# Allegro board meta_carrier_lay_rev1.brd (continued)
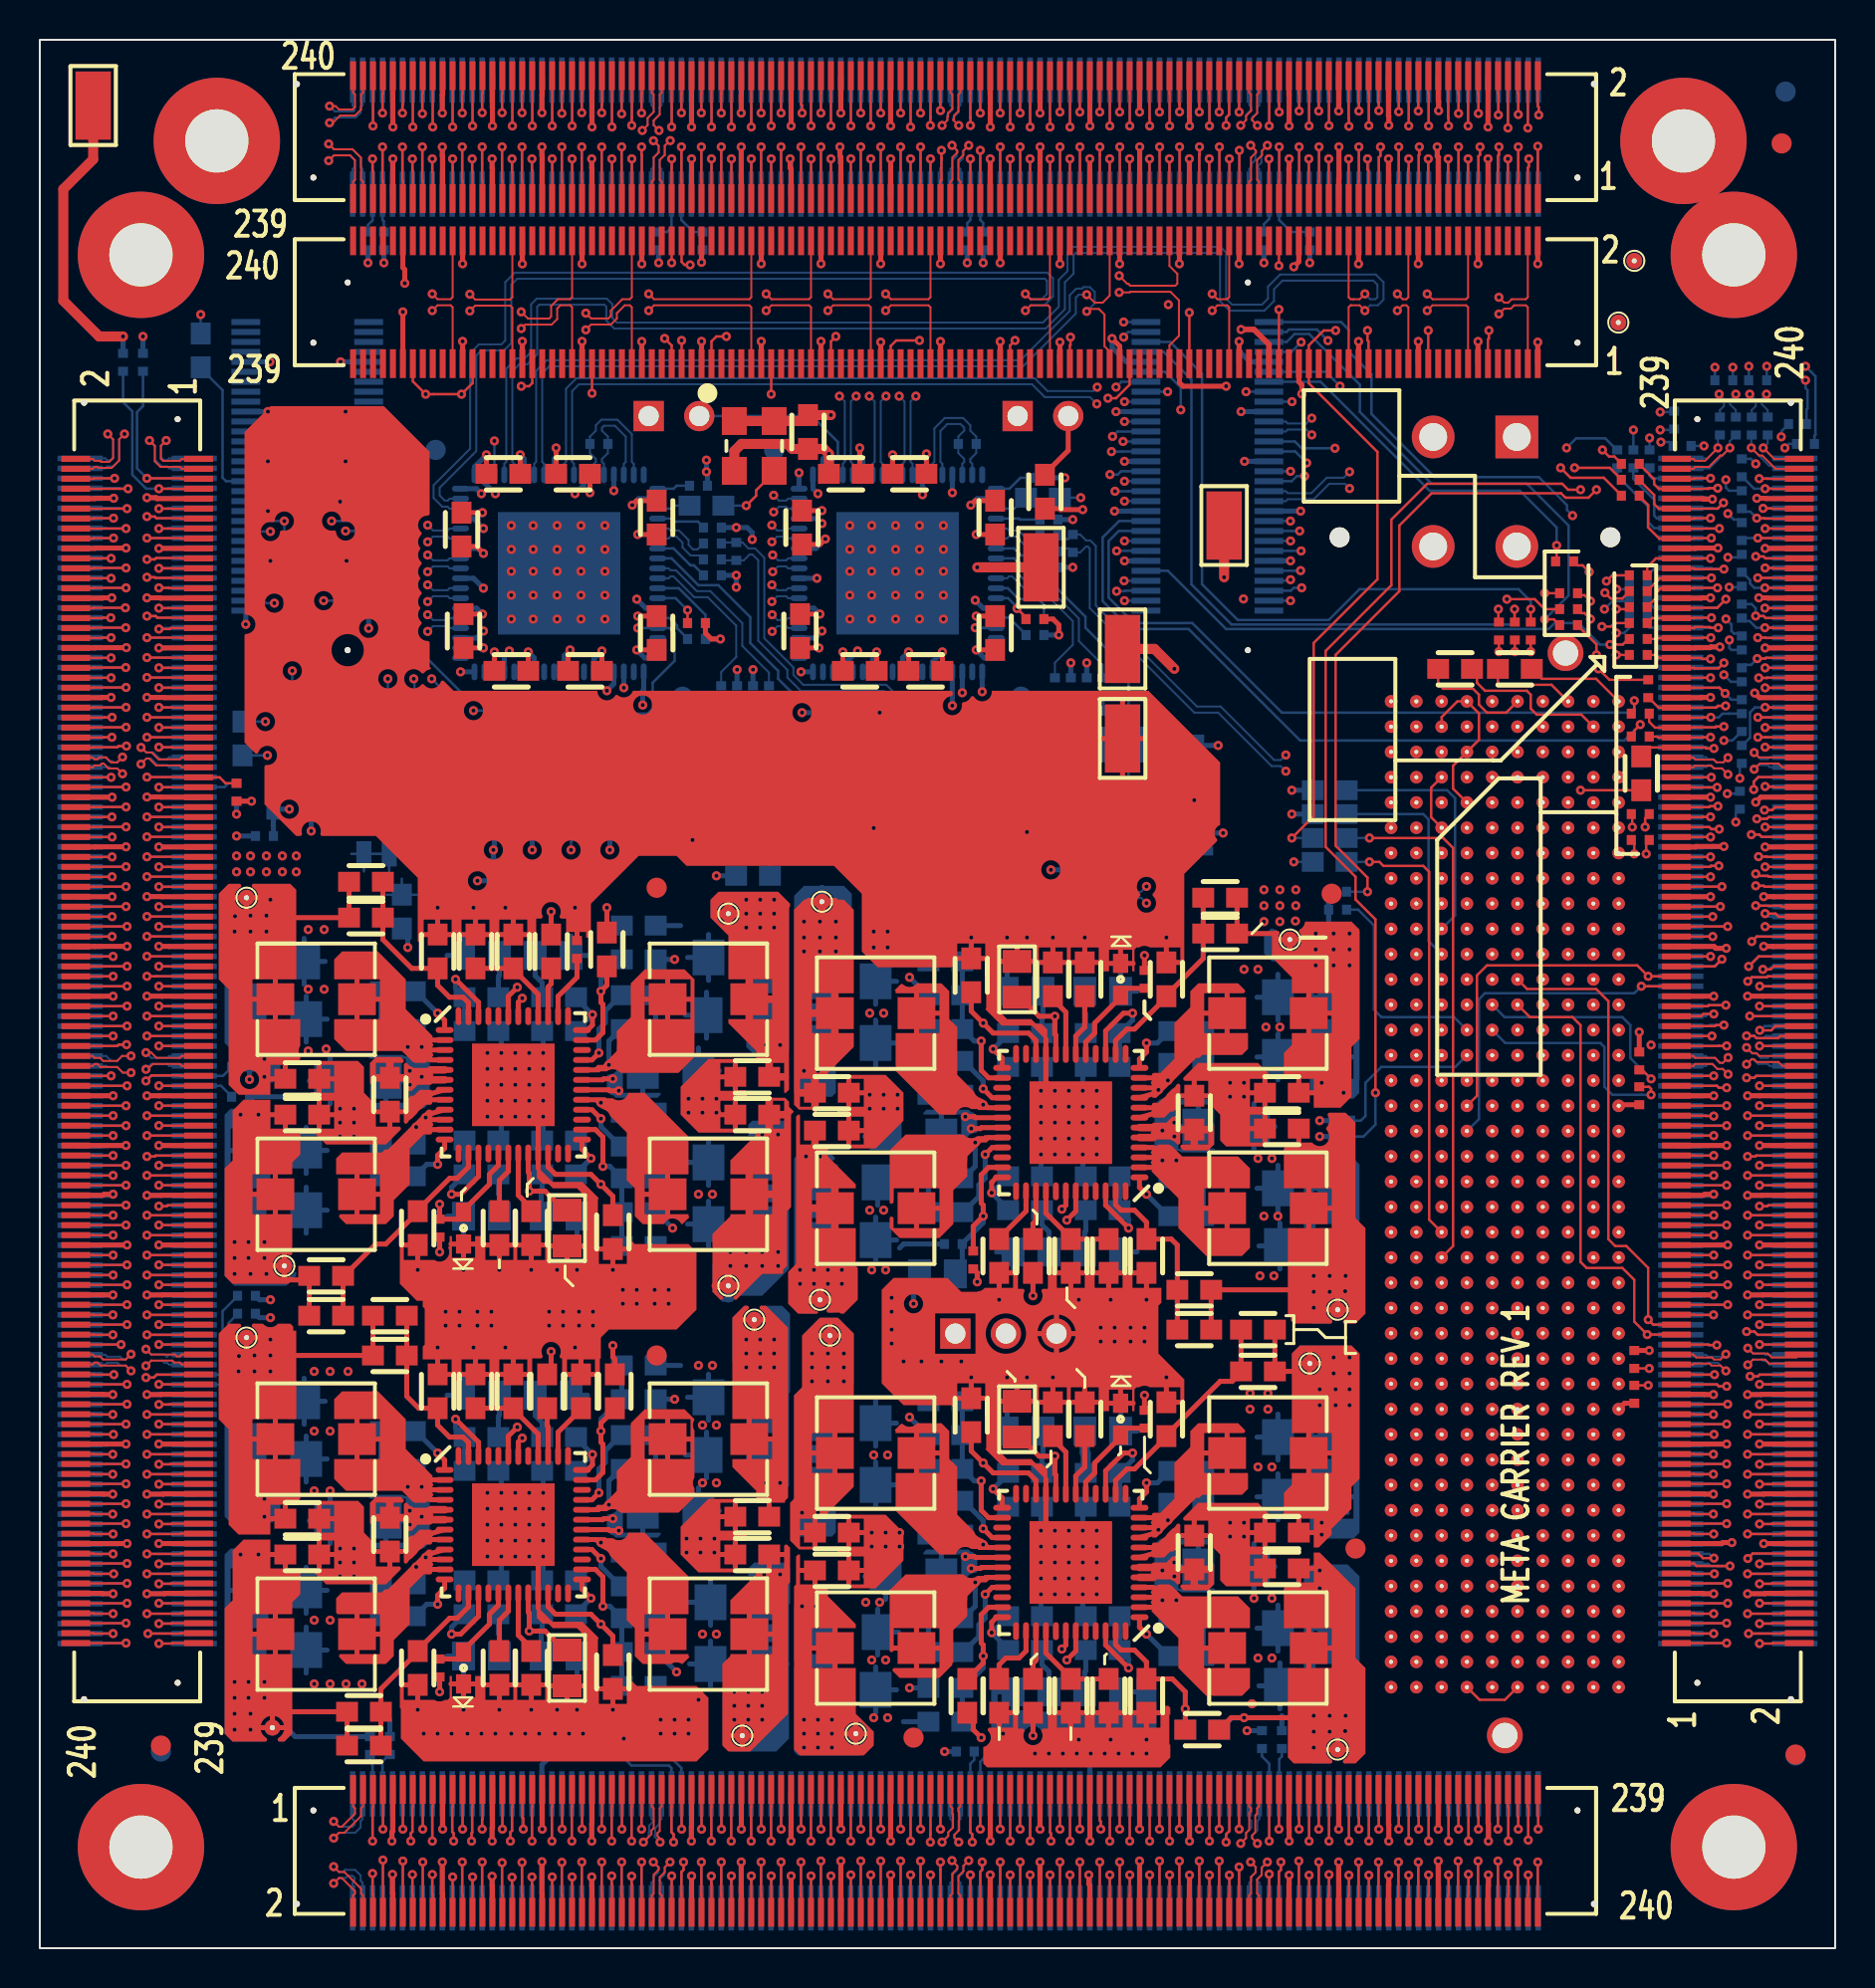
[diagram p0: board, top side]
## Copper pours and planes (outline as drawn; the poured copper is in the pictures) (continued)
(no net) on TOP: 35.98,45.08 34.58,46.48 34.58,50.88 33.68,51.78 33.68,52.68 34.08,53.08 37.08,53.08 37.68,52.48 37.68,43.18 37.38,42.88 36.08,42.88 35.98,42.98
(no net) on TOP: 39.58,39.78 40.98,38.38 40.98,34.28 41.08,34.18 41.08,32.58 40.38,31.88 38.08,31.88 37.58,32.38 37.58,33.98 37.98,34.38 37.98,41.78 38.18,41.98 39.48,41.98 39.58,41.88
(no net) on TOP: 20.78,20.28 19.58,20.28 17.18,17.88 15.18,17.88 14.88,17.58 14.88,14.78 15.38,14.28 17.38,14.28 17.78,14.68 17.78,15.48 18.58,16.28 18.58,18.08 19.28,18.78 20.78,18.78
(no net) on TOP: 47.48,42.68 47.28,42.68 46.08,43.88 46.08,46.28 45.68,46.68 45.68,48.08 45.28,48.48 43.28,48.48 42.93,48.13 42.98,48.08 42.98,44.08 45.18,41.88 48.38,41.88 48.38,42.48 47.68,42.48
(no net) on TOP: 65.88,45.28 66.28,45.68 66.28,51.18 65.88,51.58 62.48,51.58 61.88,50.98 61.88,49.78 62.88,48.78 62.88,45.38 62.48,44.98 62.48,42.28 62.58,42.18 65.28,42.18 65.88,42.78
(no net) on TOP: 28.08,20.08 28.28,20.08 29.48,18.88 29.48,16.48 29.88,16.08 29.88,14.68 30.28,14.28 32.28,14.28 32.63,14.63 32.58,14.68 32.58,18.68 30.38,20.88 27.18,20.88 27.18,20.28 27.88,20.28
(no net) on TOP: 54.88,40.38 56.78,40.38 57.38,39.78 60.18,39.78 60.78,39.18 60.78,35.18 60.38,34.78 58.58,34.78 57.18,36.18 57.18,37.68 55.78,39.08 54.88,39.08
(no net) on TOP: 54.78,42.48 56.18,42.48 58.18,44.48 61.18,44.48 61.98,43.68 61.98,40.48 61.78,40.28 59.58,40.28 59.28,40.58 59.28,41.88 58.88,42.28 57.18,42.28 56.48,41.58 54.88,41.58 54.78,41.68
(no net) on TOP: 54.78,20.38 56.18,20.38 58.18,22.38 61.18,22.38 61.98,21.58 61.98,18.38 61.78,18.18 59.58,18.18 59.28,18.48 59.28,19.78 58.88,20.18 57.18,20.18 56.48,19.48 54.88,19.48 54.78,19.58
(no net) on TOP: 19.08,28.48 19.08,30.08 19.33,30.33 19.33,32.13 18.08,33.38 18.08,35.58 18.18,35.68 19.78,35.68 19.78,35.38 20.58,35.38 20.58,35.78 27.28,35.78 27.48,35.98 27.48,37.68 26.98,38.18 25.48,38.18 24.78,38.88 24.78,40.48 25.28,40.48 25.28,39.08 25.78,38.58 27.18,38.58 28.08,37.68 28.08,35.68 28.18,35.58 29.68,35.58 29.88,35.38 32.58,35.38 32.98,34.98 32.98,32.08 31.98,31.08 28.58,31.08 28.18,30.68 28.18,28.88 27.98,28.68 24.88,28.68 24.68,28.48
(no net) on TOP: 24.78,18.38 24.78,16.78 25.48,16.08 26.98,16.08 27.48,15.58 27.48,13.88 27.28,13.68 20.58,13.68 20.58,12.58 20.48,12.48 19.98,12.48 19.78,12.68 19.78,13.58 18.18,13.58 18.08,13.48 18.08,12.08 18.13,12.03 18.13,10.53 19.28,9.38 32.98,9.38 33.58,9.98 33.58,12.58 32.98,13.18 29.98,13.18 29.68,13.48 28.18,13.48 28.08,13.58 28.08,15.58 27.18,16.48 25.78,16.48 25.28,16.98 25.28,18.38
(no net) on TOP: 40.08,40.18 41.98,40.18 43.38,41.58 43.38,42.98 42.48,43.88 40.28,43.88 40.08,43.68
(no net) on TOP: 54.78,42.48 55.98,42.48 58.38,44.88 60.38,44.88 60.68,45.18 60.68,47.98 60.18,48.48 58.18,48.48 57.78,48.08 57.78,47.28 56.98,46.48 56.98,44.68 56.28,43.98 54.78,43.98
(no net) on TOP: 8.98,26.58 8.98,30.88 9.48,31.38 12.58,31.38 12.88,31.08 12.88,25.08 13.08,24.88 13.08,22.58 13.03,22.53 13.03,20.93 12.88,20.78 9.98,20.78 9.48,21.28 9.48,26.08
(no net) on TOP: 35.48,22.58 33.58,22.58 32.18,21.18 32.18,19.78 33.08,18.88 35.28,18.88 35.48,19.08
(no net) on TOP: 20.68,22.38 18.78,22.38 18.18,22.98 15.38,22.98 14.78,23.58 14.78,27.58 15.18,27.98 16.98,27.98 18.38,26.58 18.38,25.08 19.78,23.68 20.68,23.68
(no net) on TOP: 40.08,18.08 41.98,18.08 43.38,19.48 43.38,20.88 42.48,21.78 40.28,21.78 40.08,21.58
(no net) on TOP: 50.28,22.28 50.28,23.68 49.78,24.18 48.38,24.18 47.48,25.08 47.48,27.08 47.38,27.18 45.88,27.18 45.78,27.28 43.38,27.28 42.28,28.38 42.28,33.08 42.88,33.68 45.58,33.68 46.28,32.98 47.08,32.98 47.38,33.28 47.38,34.08 47.58,34.28 56.38,34.28 56.48,34.18 56.48,32.58 56.18,32.28 56.18,29.88 57.48,28.58 57.48,27.18 57.38,27.08 55.78,27.08 55.78,27.98 55.58,28.18 55.08,28.18 54.98,28.08 54.98,26.98 48.28,26.98 48.08,26.78 48.08,25.08 48.58,24.58 50.08,24.58 50.78,23.88 50.78,22.28
(no net) on TOP: 20.88,44.38 18.58,44.38 18.18,44.78 16.88,44.78 16.58,44.48 16.58,43.48 16.98,43.08 18.68,43.08 18.98,43.38 20.88,43.38
(no net) on BOTTOM: 44.58,39.48 46.48,39.48 46.58,39.58 46.58,40.48 47.08,40.98 47.08,41.78 46.63,42.23 44.63,42.23 44.38,41.98 44.38,39.68
(no net) on BOTTOM: 58.98,20.58 59.18,20.38 59.18,18.08 58.98,17.88 56.28,17.88 55.98,18.18 55.98,20.28 56.28,20.58
(no net) on BOTTOM: 30.98,45.38 29.08,45.38 28.98,45.28 28.98,44.38 28.48,43.88 28.48,43.08 28.93,42.63 30.93,42.63 31.18,42.88 31.18,45.18
(no net) on BOTTOM: 37.68,32.58 37.68,33.78 37.88,33.98 37.88,39.68 38.38,40.18 39.48,40.18 40.08,39.58 40.08,33.98 40.58,33.48 40.58,32.68 39.78,31.88 38.38,31.88
(no net) on BOTTOM: 58.98,42.68 59.18,42.48 59.18,40.18 58.98,39.98 56.28,39.98 55.98,40.28 55.98,42.38 56.28,42.68
(no net) on BOTTOM: 63.73,49.33 63.73,43.73 63.78,43.68 63.78,43.08 64.18,42.68 65.98,42.68 66.28,42.98 66.28,51.08 65.88,51.48 63.98,51.48 63.73,51.23 61.83,51.23 61.48,50.88 61.48,49.98 61.88,49.58 63.48,49.58
(no net) on BOTTOM: 63.48,31.78 63.48,40.18 63.68,40.38 64.48,40.38 64.98,39.88 65.78,39.88 66.28,39.38 66.28,32.08 65.58,31.38 63.88,31.38
(no net) on BOTTOM: 63.48,9.68 63.48,18.88 63.88,19.28 65.68,19.28 66.28,18.68 66.28,9.98 65.58,9.28 63.88,9.28
(no net) on BOTTOM: 37.68,45.18 37.48,44.98 35.78,44.98 35.48,45.28 35.48,50.88 35.18,51.18 34.38,51.18 33.68,51.88 33.68,52.58 34.08,52.98 37.18,52.98 37.68,52.48
(no net) on BOTTOM: 12.08,53.08 12.08,51.38 11.38,50.68 11.38,45.58 12.08,44.88 12.08,43.88 11.68,43.48 11.18,43.48 10.88,43.78 10.88,44.68 10.58,44.98 9.78,44.98 9.28,45.48 9.28,52.78 9.98,53.48 11.68,53.48
(no net) on BOTTOM: 37.88,17.18 38.18,17.48 39.58,17.48 40.08,16.98 40.08,11.88 40.38,11.58 41.18,11.58 41.88,10.88 41.88,10.38 41.18,9.68 38.08,9.68 37.88,9.88
(no net) on BOTTOM: 62.88,28.88 63.73,28.03 63.73,21.63 63.78,21.58 63.78,20.98 64.18,20.58 65.98,20.58 66.28,20.88 66.28,29.88 65.88,30.28 63.28,30.28 62.88,29.88
(no net) on BOTTOM: 12.68,11.78 11.48,12.98 11.48,19.78 11.18,20.08 9.58,20.08 9.28,19.78 9.28,10.78 9.68,10.38 12.28,10.38 12.68,10.78
(no net) on BOTTOM: 12.88,34.58 11.58,35.88 11.58,41.78 11.18,42.18 9.58,42.18 9.28,41.88 9.28,33.78 9.78,33.28 12.38,33.28 12.88,33.78
(no net) on BOTTOM: 30.98,23.28 29.08,23.28 28.98,23.18 28.98,22.28 28.48,21.78 28.48,20.98 28.93,20.53 30.93,20.53 31.18,20.78 31.18,23.08
(no net) on BOTTOM: 44.58,17.38 46.48,17.38 46.58,17.48 46.58,18.38 47.08,18.88 47.08,19.68 46.63,20.13 44.63,20.13 44.38,19.88 44.38,17.58
(no net) on BOTTOM: 37.88,42.98 38.08,42.78 39.78,42.78 39.98,42.98 39.98,48.78 40.08,48.88 40.48,48.88 40.78,49.18 40.78,52.98 40.38,53.38 38.38,53.38 37.88,52.88
(no net) on BOTTOM: 37.68,41.28 37.38,41.58 35.78,41.58 35.58,41.38 35.58,35.38 35.48,35.28 34.68,35.28 33.78,34.38 33.78,32.98 34.28,32.48 34.78,32.48 35.08,32.78 36.28,32.78 37.68,34.18
(no net) on BOTTOM: 12.08,30.98 12.08,29.18 11.38,28.48 11.38,23.68 12.08,22.98 12.08,21.78 11.68,21.38 9.58,21.38 9.28,21.68 9.28,28.58 9.53,28.83 9.53,30.93 9.98,31.38 11.68,31.38
(no net) on BOTTOM: 37.68,19.08 37.38,19.38 35.88,19.38 35.58,19.08 35.58,13.28 35.48,13.18 34.78,13.18 34.28,12.68 34.28,10.28 34.68,9.88 36.98,9.88 37.68,10.58
(no net) on BOTTOM: 38.08,20.68 39.78,20.68 39.98,20.88 39.98,27.48 40.88,28.38 40.88,30.88 40.08,31.68 39.18,31.68 38.38,30.88 38.38,28.28 37.88,27.78 37.88,20.88
(no net) on BOTTOM: 16.58,42.18 16.38,42.38 16.38,44.68 16.58,44.88 19.28,44.88 19.58,44.58 19.58,42.48 19.28,42.18
(no net) on BOTTOM: 47.78,13.38 47.98,13.58 48.88,13.58 49.38,13.08 49.38,12.08 49.58,11.88 53.58,11.88 53.68,11.98 53.68,12.98 54.28,13.58 55.58,13.58 56.08,13.08 56.08,9.58 55.58,9.08 49.68,9.08 49.38,9.38 49.38,10.08 49.08,10.38 48.08,10.38 47.78,10.68
(no net) on BOTTOM: 37.68,23.28 37.38,22.98 36.18,22.98 35.48,23.68 35.48,28.78 34.78,29.48 34.78,31.68 35.38,32.28 37.28,32.28 37.68,31.88
(no net) on BOTTOM: 16.58,20.08 16.38,20.28 16.38,22.58 16.58,22.78 19.28,22.78 19.58,22.48 19.58,20.38 19.28,20.08
1P8V on TOP (solid shape): 37.63,42.53 37.63,42.28 37.88,42.03 37.73,41.88 37.73,37.23 37.53,37.03 37.53,34.28 37.33,34.08 37.33,33.93 37.28,33.88 36.28,33.88 34.98,32.58 34.95,32.58 34.85,32.65 34.9,32.77 34.58,33.88 34.27,32.77 34.31,32.65 34.21,32.58 34.18,32.58 33.78,32.98 33.78,35.88 34.68,36.78 34.68,36.88 36.78,36.88 36.78,38.88 34.68,38.88 34.68,39.58 35.98,40.88 35.98,41.18 37.38,41.18 37.38,42.58 35.98,42.58 35.98,42.68 36.03,42.73 37.43,42.73
1P8V on BOTTOM (solid shape): 37.68,41.28 37.68,39.83 37.63,39.78 37.63,34.13 36.28,32.78 35.08,32.78 34.78,32.48 34.28,32.48 33.78,32.98 33.78,33.31 33.98,33.31 33.98,33.25 33.99,33.18 34,33.11 34.03,33.04 34.06,32.98 34.1,32.92 34.14,32.87 34.19,32.82 34.25,32.78 34.31,32.74 34.37,32.72 34.44,32.7 34.51,32.68 34.58,32.68 34.65,32.68 34.72,32.7 34.79,32.72 34.85,32.74 34.91,32.78 34.97,32.82 35.02,32.87 35.06,32.92 35.1,32.98 35.13,33.04 35.16,33.11 35.17,33.18 35.18,33.25 35.18,33.31 35.17,33.38 35.16,33.45 35.13,33.52 35.1,33.58 35.06,33.64 35.02,33.69 34.97,33.74 34.91,33.78 34.85,33.82 34.79,33.84 34.72,33.86 34.65,33.88 34.58,33.88 34.51,33.88 34.44,33.86 34.37,33.84 34.31,33.82 34.25,33.78 34.19,33.74 34.14,33.69 34.1,33.64 34.06,33.58 34.03,33.52 34,33.45 33.99,33.38 33.98,33.31 33.78,33.31 33.78,34.38 34.63,35.23 34.63,35.23 34.68,35.28 35.38,35.28 35.38,35.28 37.38,35.28 37.38,37.48 35.58,37.48 35.58,38.38 37.38,38.38 37.38,40.58 35.58,40.58 35.58,41.38 35.78,41.58 37.38,41.58
1P8V on SIGNAL_L10: 20.28,76.18 20.28,63.78 48.38,63.78 48.38,76.18
1P8V on SIGNAL_L12: 29.83,76.83 21.83,76.83 19.83,74.83 19.83,57.33 16.38,53.88 16.38,36.78 20.28,32.88 36.18,32.88 39.33,36.03 39.33,48.33 27.68,59.98 27.68,64.13 30.83,67.28 30.83,75.83
2P5V on TOP (solid shape): 38.58,52.68 38.65,52.65 38.68,52.58 39.28,51.98 39.88,52.58 39.91,52.65 39.98,52.68 40.38,52.68 40.88,52.18 40.88,47.98 38.78,47.98 38.78,45.98 40.88,45.98 40.88,45.28 39.58,43.98 39.58,43.68 38.18,43.68 38.18,42.28 39.58,42.28 39.58,42.18 39.53,42.13 38.13,42.13 37.88,42.38 37.88,52.18 38.38,52.68
2P5V on BOTTOM (solid shape): 40.78,52.98 40.78,49.18 40.48,48.88 40.18,48.88 40.18,49.68 38.18,49.68 38.18,47.48 39.98,47.48 39.98,46.58 38.18,46.58 38.18,44.38 39.98,44.38 39.98,42.98 39.78,42.78 38.08,42.78 37.88,42.98 37.88,52.61 38.68,52.61 38.68,52.55 38.69,52.48 38.7,52.41 38.73,52.34 38.76,52.28 38.8,52.22 38.84,52.17 38.89,52.12 38.95,52.08 39.01,52.04 39.07,52.02 39.14,52 39.21,51.98 39.28,51.98 39.35,51.98 39.42,52 39.49,52.02 39.55,52.04 39.61,52.08 39.67,52.12 39.72,52.17 39.76,52.22 39.8,52.28 39.83,52.34 39.86,52.41 39.87,52.48 39.88,52.55 39.88,52.61 39.87,52.68 39.86,52.75 39.83,52.82 39.8,52.88 39.76,52.94 39.72,52.99 39.67,53.04 39.61,53.08 39.55,53.12 39.49,53.14 39.42,53.16 39.35,53.18 39.28,53.18 39.21,53.18 39.14,53.16 39.07,53.14 39.01,53.12 38.95,53.08 38.89,53.04 38.84,52.99 38.8,52.94 38.76,52.88 38.73,52.82 38.7,52.75 38.69,52.68 38.68,52.61 37.88,52.61 37.88,52.88 38.38,53.38 40.38,53.38
3P3V on TOP (solid shape): 37.68,52.48 37.68,52.33 37.63,52.28 37.63,43.13 37.48,42.98 37.38,42.98 37.38,44.48 35.98,44.48 35.98,45.08 34.58,46.48 34.58,46.68 36.78,46.68 36.78,48.68 34.58,48.68 34.58,50.88 33.68,51.78 33.68,52.01 33.98,52.01 33.98,51.95 33.99,51.88 34,51.81 34.03,51.74 34.06,51.68 34.1,51.62 34.14,51.57 34.19,51.52 34.25,51.48 34.31,51.44 34.37,51.42 34.44,51.4 34.51,51.38 34.58,51.38 34.65,51.38 34.72,51.4 34.79,51.42 34.85,51.44 34.91,51.48 34.97,51.52 35.02,51.57 35.06,51.62 35.1,51.68 35.13,51.74 35.16,51.81 35.17,51.88 35.18,51.95 35.18,52.01 35.17,52.08 35.16,52.15 35.13,52.22 35.1,52.28 35.06,52.34 35.02,52.39 34.97,52.44 34.91,52.48 34.85,52.52 34.79,52.54 34.72,52.56 34.65,52.58 34.58,52.58 34.51,52.58 34.44,52.56 34.37,52.54 34.31,52.52 34.25,52.48 34.19,52.44 34.14,52.39 34.1,52.34 34.06,52.28 34.03,52.22 34,52.15 33.99,52.08 33.98,52.01 33.68,52.01 33.68,52.68 34.08,53.08 37.08,53.08
3P3V on BOTTOM (solid shape): 37.63,52.53 37.63,45.13 37.48,44.98 35.78,44.98 35.48,45.28 35.48,45.78 37.28,45.78 37.28,47.98 35.48,47.98 35.48,48.68 37.38,48.68 37.38,50.88 35.48,50.88 35.18,51.18 34.38,51.18 33.68,51.88 33.68,52.01 33.98,52.01 33.98,51.95 33.99,51.88 34,51.81 34.03,51.74 34.06,51.68 34.1,51.62 34.14,51.57 34.19,51.52 34.25,51.48 34.31,51.44 34.37,51.42 34.44,51.4 34.51,51.38 34.58,51.38 34.65,51.38 34.72,51.4 34.79,51.42 34.85,51.44 34.91,51.48 34.97,51.52 35.02,51.57 35.06,51.62 35.1,51.68 35.13,51.74 35.16,51.81 35.17,51.88 35.18,51.95 35.18,52.01 35.17,52.08 35.16,52.15 35.13,52.22 35.1,52.28 35.06,52.34 35.02,52.39 34.97,52.44 34.91,52.48 34.85,52.52 34.79,52.54 34.72,52.56 34.65,52.58 34.58,52.58 34.51,52.58 34.44,52.56 34.37,52.54 34.31,52.52 34.25,52.48 34.19,52.44 34.14,52.39 34.1,52.34 34.06,52.28 34.03,52.22 34,52.15 33.99,52.08 33.98,52.01 33.68,52.01 33.68,52.58 34.08,52.98 37.18,52.98
3P3V on SIGNAL_L3: 31.48,78.08 29.08,78.08 27.88,76.88 24.78,76.88 20.33,72.43 20.33,61.08 18.58,59.33 10.33,59.33 8.83,57.83 8.83,47.58 10.58,45.83 55.13,45.83 59.91,50.6 59.91,62 56.83,65.08 53.08,65.08 50.08,68.08 50.08,77.18 49.28,77.98 38.88,77.98 37.33,76.43 37.33,65.83 36.83,65.33 33.83,65.33 32.83,66.33 32.83,75.58 32.08,76.33 32.08,77.48
5P0V on TOP (solid shape): 38.18,40.38 39.58,40.38 39.58,39.78 40.98,38.38 40.98,38.18 38.78,38.18 38.78,36.18 40.98,36.18 40.98,34.28 41.08,34.18 41.08,32.58 40.38,31.88 40.23,31.88 40.18,31.93 39.62,31.93 39.52,32 39.56,32.11 39.05,33.17 39.03,32 39.05,31.99 39.09,31.95 39.03,31.88 38.08,31.88 37.58,32.38 37.58,33.98 37.98,34.38 37.98,41.78 38.08,41.88 38.18,41.88
5P0V on BOTTOM (solid shape): 39.9,39.76 39.93,39.64 39.83,39.58 38.28,39.58 38.28,37.38 40.08,37.38 40.08,36.68 38.18,36.68 38.18,34.48 39.84,34.48 39.93,34.42 39.92,34.32 39.92,33.84 40.37,33.66 40.4,33.66 40.58,33.48 40.58,32.68 39.83,31.93 39.62,31.93 39.52,32 39.56,32.11 39.05,33.17 39.03,32 39.05,31.99 39.09,31.95 39.03,31.88 38.38,31.88 37.68,32.58 37.68,33.78 37.88,33.98 37.88,39.68 38.38,40.18 39.48,40.18
5P0V on SIGNAL_L5: 8.38,67.58 8.38,62.88 13.18,58.08 14.88,58.08 17.88,55.08 17.88,42.88 30.73,30.03 30.78,30.08 46.38,30.08 50.78,34.48 50.78,51.98 48.18,54.58 25.98,54.58 25.88,54.48 20.68,59.68 20.68,67.38 18.18,69.88 10.68,69.88
12P0V on TOP (solid shape): 18.25,44.65 18.27,44.54 18.18,44.48 16.88,44.48 16.88,43.43 16.82,43.33 16.71,43.35 16.58,43.48 16.58,44.48 16.88,44.78 18.13,44.78
12P0V on TOP (solid shape): 18.25,22.55 18.27,22.44 18.18,22.38 16.88,22.38 16.88,21.33 16.82,21.23 16.71,21.25 16.58,21.38 16.58,22.38 16.88,22.68 18.13,22.68
12P0V on TOP (solid shape): 58.68,41.43 58.74,41.53 58.85,41.51 58.98,41.38 58.98,40.38 58.68,40.08 57.43,40.08 57.31,40.21 57.29,40.32 57.38,40.38 58.68,40.38
12P0V on TOP (solid shape): 58.68,19.33 58.74,19.43 58.85,19.41 58.98,19.28 58.98,18.28 58.68,17.98 57.43,17.98 57.31,18.11 57.29,18.22 57.38,18.28 58.68,18.28
12P0V on BOTTOM (solid shape): 18.21,44.88 18.47,44.8 18.73,44.87 18.75,44.88 18.91,44.88 18.93,44.87 19.11,44.8 19.31,44.82 19.34,44.82 19.58,44.58 19.58,42.48 19.31,42.21 19.25,42.2 19.19,42.18 16.58,42.18 16.38,42.38 16.38,42.48 18.38,42.48 18.38,44.68 16.63,44.68 16.53,44.74 16.56,44.86 16.58,44.88
12P0V on BOTTOM (solid shape): 18.21,22.78 18.47,22.7 18.73,22.77 18.75,22.78 18.91,22.78 18.93,22.77 19.11,22.7 19.31,22.72 19.34,22.72 19.58,22.48 19.58,20.38 19.31,20.11 19.25,20.1 19.19,20.08 16.58,20.08 16.38,20.28 16.38,20.38 18.38,20.38 18.38,22.58 16.63,22.58 16.53,22.64 16.56,22.76 16.58,22.78
12P0V on BOTTOM (solid shape): 59.18,42.48 59.18,42.38 57.18,42.38 57.18,40.18 58.93,40.18 59.03,40.12 59,40 58.98,39.98 57.35,39.98 57.09,40.06 56.83,39.99 56.81,39.98 56.65,39.98 56.63,39.99 56.45,40.06 56.25,40.04 56.22,40.04 55.98,40.28 55.98,42.38 56.25,42.65 56.31,42.66 56.37,42.68 58.98,42.68
12P0V on BOTTOM (solid shape): 59.18,20.38 59.18,20.28 57.18,20.28 57.18,18.08 58.93,18.08 59.03,18.02 59,17.9 58.98,17.88 57.35,17.88 57.09,17.96 56.83,17.89 56.81,17.88 56.65,17.88 56.63,17.89 56.45,17.96 56.25,17.94 56.22,17.94 55.98,18.18 55.98,20.28 56.25,20.55 56.31,20.56 56.37,20.58 58.98,20.58
12P0V on BOTTOM (solid shape): 31,45.36 31.03,45.24 30.93,45.18 29.28,45.18 29.28,42.98 31.18,42.98 31.18,42.88 31.03,42.73 28.91,42.73 28.79,42.86 28.7,42.86 28.48,43.08 28.48,43.8 28.51,43.87 28.58,43.9 29,44.15 28.98,44.65 28.98,45.28 29.08,45.38 30.98,45.38
12P0V on BOTTOM (solid shape): 31,23.26 31.03,23.14 30.93,23.08 29.28,23.08 29.28,20.88 31.18,20.88 31.18,20.78 31.03,20.63 28.91,20.63 28.79,20.76 28.7,20.76 28.48,20.98 28.48,21.7 28.51,21.77 28.58,21.8 29,22.05 28.98,22.55 28.98,23.18 29.08,23.28 30.98,23.28
12P0V on BOTTOM (solid shape): 46.77,42 46.86,42 47.08,41.78 47.08,41.06 47.05,40.99 46.98,40.96 46.56,40.71 46.58,40.21 46.58,39.58 46.48,39.48 44.58,39.48 44.56,39.5 44.53,39.62 44.63,39.68 46.28,39.68 46.28,41.88 44.38,41.88 44.38,41.98 44.53,42.13 46.65,42.13
12P0V on BOTTOM (solid shape): 46.77,19.9 46.86,19.9 47.08,19.68 47.08,18.96 47.05,18.89 46.98,18.86 46.56,18.61 46.58,18.11 46.58,17.48 46.48,17.38 44.58,17.38 44.56,17.4 44.53,17.52 44.63,17.58 46.28,17.58 46.28,19.78 44.38,19.78 44.38,19.88 44.53,20.03 46.65,20.03
12P0V on SIGNAL_L10: 76.08,73.08 52.08,73.08 50.78,71.78 50.78,54.88 43.38,47.48 20.58,47.48 16.88,43.78 16.88,20.78 22.33,15.33 54.83,15.33 60.33,20.83 60.33,63.83 63.58,67.08 76.08,67.08 76.58,67.58 76.58,72.58
Q0_VDD on TOP (solid shape): 10.01,53.48 10.03,53.48 10.05,53.47 10.08,53.46 10.1,53.43 10.11,53.41 10.11,53.38 10.11,53.35 10.1,53.32 10.08,53.3 10.04,53.27 9.98,53.23 9.93,53.18 9.89,53.13 9.85,53.07 9.82,53.01 9.8,52.94 9.79,52.87 9.78,52.8 9.78,52.74 9.79,52.67 9.81,52.6 9.83,52.53 9.86,52.47 9.9,52.42 9.95,52.36 10,52.32 10.05,52.28 10.11,52.24 10.18,52.21 10.24,52.2 10.31,52.18 10.38,52.18 10.45,52.18 10.52,52.2 10.58,52.21 10.65,52.24 10.71,52.28 10.76,52.32 10.81,52.36 10.86,52.42 10.9,52.47 10.93,52.53 10.95,52.6 10.97,52.67 10.98,52.74 10.98,52.8 10.97,52.87 10.96,52.94 10.94,53.01 10.91,53.07 10.87,53.13 10.83,53.18 10.78,53.23 10.72,53.27 10.68,53.3 10.66,53.32 10.65,53.35 10.65,53.38 10.65,53.41 10.66,53.43 10.68,53.46 10.71,53.47 10.73,53.48 10.75,53.48 12.58,53.48 12.88,53.18 12.88,48.68 10.68,48.68 10.68,46.68 13.08,46.68 13.08,45.35 13.06,45.32 13.04,45.27 13.02,45.21 13,45.15 13,45.09 13,45.03 13.01,44.97 13.03,44.91 13.06,44.85 13.08,44.81 13.08,44.68 13.03,44.63 13.03,44.38 11.58,44.38 11.58,42.88 9.98,42.88 9.48,43.38 9.48,43.65 10.05,43.65 10.05,43.59 10.07,43.53 10.08,43.47 10.11,43.41 10.14,43.36 10.18,43.31 10.23,43.27 10.28,43.24 10.34,43.21 10.39,43.19 10.45,43.17 10.51,43.17 10.58,43.17 10.64,43.18 10.7,43.2 10.75,43.22 10.81,43.25 10.85,43.29 10.9,43.34 10.93,43.39 10.96,43.44 10.99,43.5 11,43.56 11.01,43.62 11.01,43.68 11,43.74 10.99,43.8 10.96,43.86 10.93,43.91 10.9,43.96 10.85,44 10.81,44.04 10.75,44.07 10.7,44.1 10.64,44.12 10.58,44.13 10.51,44.13 10.45,44.12 10.39,44.11 10.34,44.09 10.28,44.06 10.23,44.02 10.18,43.98 10.14,43.94 10.11,43.88 10.08,43.83 10.07,43.77 10.05,43.71 10.05,43.65 9.48,43.65 9.48,48.18 8.98,48.68 8.98,52.98 9.48,53.48
Q0_VDD on BOTTOM (solid shape): 10.01,53.48 10.11,53.41 10.07,53.29 10.38,52.18 10.7,53.29 10.65,53.41 10.75,53.48 11.68,53.48 12.08,53.08 12.08,51.38 11.38,50.68 9.48,50.68 9.48,48.48 11.38,48.48 11.38,47.78 9.58,47.78 9.58,45.58 11.38,45.58 12.08,44.88 12.08,43.88 11.68,43.48 11.18,43.48 11.01,43.65 11,43.78 11.01,43.78 11.01,44.78 10.78,44.78 10.58,44.98 9.78,44.98 9.28,45.48 9.28,52.78 9.98,53.48
Q0_VDD on PWR_L7: 0.89,45.08 0.89,95 44.48,95 44.48,45.08
Q0_VDDIO on TOP (solid shape): 11.58,41.18 13.08,41.18 13.08,39.88 12.68,39.48 12.68,38.88 10.68,38.88 10.68,36.88 12.68,36.88 12.68,34.92 12.63,34.83 12.53,34.82 11.68,34.28 12.53,33.74 12.63,33.73 12.68,33.64 12.68,33.58 12.48,33.38 9.68,33.38 9.28,33.78 9.28,39.18 9.68,39.58 9.68,42.08 10.23,42.63 11.58,42.63
Q0_VDDIO on BOTTOM (solid shape): 11.58,41.78 11.58,41.18 9.58,41.18 9.58,38.98 11.58,38.98 11.58,38.18 9.58,38.18 9.58,35.98 11.58,35.98 11.58,35.88 12.41,35.05 12.43,34.94 12.33,34.88 11.74,34.01 12.79,33.96 12.8,33.98 12.88,33.98 12.88,33.78 12.38,33.28 11.31,33.28 9.78,33.28 9.28,33.78 9.28,41.88 9.58,42.18 11.18,42.18
Q0_VDDIO on SIGNAL_L5, SIGNAL_L10: 7.58,55.78 7.58,31.78 15.88,31.78 15.88,55.78
Q0_VDDIO on PWR_L8: 0.89,45.08 0.89,95 41.18,95 41.18,88.58 44.47,88.58 44.47,45.08
Q1_VDD on TOP (solid shape): 66.08,41.48 66.08,36.68 66.58,36.18 66.58,31.88 66.08,31.38 65.55,31.38 65.45,31.45 65.5,31.57 65.18,32.68 64.86,31.57 64.91,31.45 64.81,31.38 62.98,31.38 62.83,31.53 62.83,31.83 62.68,31.83 62.68,36.18 64.88,36.18 64.88,38.18 62.48,38.18 62.48,40.18 62.53,40.23 62.53,40.48 63.91,40.48 64.6,40.42 64.63,41.11 64.6,41.18 64.63,41.25 64.76,41.53 64.69,41.83 64.69,41.93 64.78,41.98 65.58,41.98
Q1_VDD on BOTTOM (solid shape): 64.01,40.38 64.04,40.36 64.1,40.33 64.16,40.31 64.23,40.3 64.29,40.3 64.36,40.31 64.45,40.31 64.45,40.28 64.58,40.28 64.98,39.88 65.78,39.88 66.28,39.38 66.28,32.08 65.58,31.38 65.53,31.38 65.51,31.39 65.48,31.4 65.46,31.43 65.45,31.45 65.45,31.48 65.45,31.51 65.46,31.54 65.48,31.56 65.52,31.59 65.58,31.63 65.63,31.68 65.67,31.73 65.71,31.79 65.74,31.85 65.76,31.92 65.77,31.99 65.78,32.06 65.78,32.12 65.77,32.19 65.75,32.26 65.73,32.33 65.7,32.39 65.66,32.44 65.61,32.5 65.56,32.54 65.51,32.58 65.45,32.62 65.38,32.65 65.32,32.66 65.25,32.68 65.18,32.68 65.11,32.68 65.04,32.66 64.98,32.65 64.91,32.62 64.85,32.58 64.8,32.54 64.75,32.5 64.7,32.44 64.66,32.39 64.63,32.33 64.61,32.26 64.59,32.19 64.58,32.12 64.58,32.06 64.59,31.99 64.6,31.92 64.62,31.85 64.65,31.79 64.69,31.73 64.73,31.68 64.78,31.63 64.84,31.59 64.88,31.56 64.9,31.54 64.91,31.51 64.91,31.48 64.91,31.45 64.9,31.43 64.88,31.4 64.85,31.39 64.83,31.38 64.81,31.38 63.88,31.38 63.48,31.78 63.48,34.18 66.08,34.18 66.08,36.38 64.08,36.38 64.08,34.18 63.48,34.18 63.48,37.08 65.98,37.08 65.98,39.28 63.98,39.28 63.98,37.08 63.48,37.08 63.48,40.18 63.68,40.38
Q1_VDD on SIGNAL_L3, SIGNAL_L5: 60.58,55.78 60.58,30.88 67.08,30.88 67.08,55.78
Q1_VDD on PWR_L7: 45.28,45.08 45.28,95 89.28,95 89.28,45.08
Q1_VDDIO on TOP (solid shape): 66.28,51.18 66.28,45.68 65.88,45.28 65.88,42.78 65.33,42.23 63.98,42.23 63.98,43.68 62.48,43.68 62.48,44.98 62.88,45.38 62.88,45.98 64.88,45.98 64.88,47.98 62.88,47.98 62.88,48.78 61.88,49.78 61.88,50.98 62.05,51.15 62.13,51.12 62.18,51.11 62.25,51.05 62.25,50.96 62.83,50.08 63.26,51.04 63.24,51.12 63.29,51.19 63.45,51.34 63.53,51.54 63.54,51.58 65.88,51.58
Q1_VDDIO on BOTTOM (solid shape): 66.28,51.08 66.28,43.62 66.27,43.61 66.27,42.97 65.98,42.68 64.18,42.68 63.78,43.08 63.78,43.68 65.98,43.68 65.98,45.88 63.98,45.88 63.98,43.68 63.78,43.68 63.73,43.73 63.73,46.68 65.98,46.68 65.98,48.88 63.98,48.88 63.98,46.68 63.73,46.68 63.73,49.33 63.48,49.58 61.88,49.58 61.48,49.98 61.48,50.88 61.83,51.23 61.95,51.23 61.99,51.2 62.04,51.16 62.09,51.14 62.15,51.12 62.22,51.09 62.24,51.08 62.25,51.05 62.26,51.03 62.26,51 62.23,50.93 62.21,50.87 62.19,50.8 62.18,50.73 62.18,50.66 62.19,50.59 62.2,50.52 62.22,50.46 62.25,50.4 62.29,50.34 62.33,50.28 62.38,50.23 62.43,50.19 62.49,50.15 62.55,50.12 62.62,50.1 62.69,50.09 62.76,50.08 62.83,50.08 62.89,50.09 62.96,50.11 63.03,50.13 63.09,50.16 63.15,50.2 63.2,50.25 63.24,50.3 63.29,50.36 63.32,50.42 63.35,50.48 63.37,50.55 63.38,50.61 63.38,50.68 63.38,50.75 63.36,50.82 63.34,50.89 63.32,50.95 63.28,51.01 63.25,51.05 63.24,51.08 63.24,51.11 63.25,51.14 63.26,51.16 63.28,51.18 63.35,51.23 63.73,51.23 63.98,51.48 65.88,51.48
Q1_VDDIO on PWR_L8: 45.28,45.08 45.28,89.28 41.98,89.28 41.98,95 89.28,95 89.28,45.08 82.78,45.08 82.78,47.98 74.78,47.98 74.78,45.08
Q2_VDD on TOP (solid shape): 10.01,31.38 10.11,31.31 10.07,31.19 10.38,30.08 10.7,31.19 10.65,31.31 10.75,31.38 11.21,31.38 11.58,31.2 11.96,31.38 12.58,31.38 12.73,31.23 12.73,31.03 12.88,31.03 12.88,26.58 10.68,26.58 10.68,24.58 13.08,24.58 13.08,22.58 13.03,22.53 13.03,22.28 11.58,22.28 11.58,20.78 9.98,20.78 9.48,21.28 9.48,26.08 8.98,26.58 8.98,30.88 9.48,31.38
Q2_VDD on BOTTOM (solid shape): 9.31,28.13 9.42,28.15 9.48,28.06 9.48,26.38 11.38,26.38 11.38,25.68 9.58,25.68 9.58,23.48 11.58,23.48 12.08,22.98 12.08,21.78 11.68,21.38 9.58,21.38 9.28,21.68 9.28,28.1
Q2_VDD on BOTTOM (solid shape): 10.87,31.3 11.28,31.3 11.52,31.2 11.77,31.24 11.81,31.25 12.08,30.98 12.08,29.18 11.48,28.58 9.79,28.58 9.79,30.17 9.86,30.27 9.97,30.25 10.86,30.31 10.7,31.19 10.65,31.31 10.75,31.38 10.8,31.38
Q2_VDD on PWR_L7: 0.89,0.89 0.89,44.48 44.48,44.48 44.48,0.89
Q2_VDDIO on TOP (solid shape): 11.58,19.08 13.08,19.08 13.08,17.78 12.68,17.38 12.68,16.78 10.68,16.78 10.68,14.78 12.68,14.78 12.68,10.78 12.28,10.38 12.05,10.38 11.95,10.45 12,10.57 11.68,11.68 11.37,10.57 11.41,10.45 11.31,10.38 9.68,10.38 9.28,10.78 9.28,17.08 9.68,17.48 9.68,19.98 10.23,20.53 11.58,20.53
Q2_VDDIO on BOTTOM (solid shape): 11.48,19.78 11.48,19.08 9.58,19.08 9.58,16.88 11.48,16.88 11.48,16.08 9.58,16.08 9.58,13.88 11.48,13.88 11.48,12.98 12.68,11.78 12.68,10.78 12.28,10.38 12.05,10.38 11.95,10.45 12,10.57 11.68,11.68 11.37,10.57 11.41,10.45 11.31,10.38 9.68,10.38 9.28,10.78 9.28,19.78 9.58,20.08 11.18,20.08
Q2_VDDIO on PWR_L8: 0.89,0.89 0.89,44.48 44.48,44.48 44.48,0.89
Q3_VDD on TOP (solid shape): 66.08,18.08 66.08,14.58 66.58,14.08 66.58,9.78 66.08,9.28 65.55,9.28 65.45,9.35 65.5,9.47 65.18,10.58 64.86,9.47 64.91,9.35 64.81,9.28 62.98,9.28 62.68,9.58 62.68,14.08 64.88,14.08 64.88,16.08 62.48,16.08 62.48,18.08 62.53,18.13 62.53,18.38 63.98,18.38 63.98,19.88 64.28,19.88
Q3_VDD on BOTTOM (solid shape): 66.28,18.68 66.28,9.98 65.58,9.28 65.53,9.28 65.51,9.29 65.48,9.3 65.46,9.33 65.45,9.35 65.45,9.38 65.45,9.41 65.46,9.44 65.48,9.46 65.52,9.49 65.58,9.53 65.63,9.58 65.67,9.63 65.71,9.69 65.74,9.75 65.76,9.82 65.77,9.89 65.78,9.96 65.78,10.02 65.77,10.09 65.75,10.16 65.73,10.23 65.7,10.29 65.66,10.34 65.61,10.4 65.56,10.44 65.51,10.48 65.45,10.52 65.38,10.55 65.32,10.56 65.25,10.58 65.18,10.58 65.11,10.58 65.04,10.56 64.98,10.55 64.91,10.52 64.85,10.48 64.8,10.44 64.75,10.4 64.7,10.34 64.66,10.29 64.63,10.23 64.61,10.16 64.59,10.09 64.58,10.02 64.58,9.96 64.59,9.89 64.6,9.82 64.62,9.75 64.65,9.69 64.69,9.63 64.73,9.58 64.78,9.53 64.84,9.49 64.88,9.46 64.9,9.44 64.91,9.41 64.91,9.38 64.91,9.35 64.9,9.33 64.88,9.3 64.85,9.29 64.83,9.28 64.81,9.28 63.88,9.28 63.48,9.68 63.48,12.08 66.08,12.08 66.08,14.28 64.08,14.28 64.08,12.08 63.48,12.08 63.48,14.98 65.98,14.98 65.98,17.18 63.98,17.18 63.98,14.98 63.48,14.98 63.48,18.88 63.88,19.28 65.68,19.28
Q3_VDD on PWR_L7: 45.28,0.89 45.28,44.47 76.18,44.57 76.18,44.58 89.28,44.58 89.28,0.89
Q3_VDDIO on TOP (solid shape): 66.28,29.88 66.28,23.58 65.88,23.18 65.88,22.08 64.88,21.08 64.88,20.78 64.23,20.13 63.98,20.13 63.98,21.58 62.48,21.58 62.48,22.88 62.88,23.28 62.88,23.88 64.88,23.88 64.88,25.88 62.88,25.88 62.88,29.41 63.18,29.41 63.18,29.35 63.19,29.28 63.2,29.21 63.23,29.14 63.26,29.08 63.3,29.02 63.34,28.97 63.39,28.92 63.45,28.88 63.51,28.84 63.57,28.82 63.64,28.8 63.71,28.78 63.78,28.78 63.85,28.78 63.92,28.8 63.99,28.82 64.05,28.84 64.11,28.88 64.17,28.92 64.22,28.97 64.26,29.02 64.3,29.08 64.33,29.14 64.36,29.21 64.37,29.28 64.38,29.35 64.38,29.41 64.37,29.48 64.36,29.55 64.33,29.62 64.3,29.68 64.26,29.74 64.22,29.79 64.17,29.84 64.11,29.88 64.05,29.92 63.99,29.94 63.92,29.96 63.85,29.98 63.78,29.98 63.71,29.98 63.64,29.96 63.57,29.94 63.51,29.92 63.45,29.88 63.39,29.84 63.34,29.79 63.3,29.74 63.26,29.68 63.23,29.62 63.2,29.55 63.19,29.48 63.18,29.41 62.88,29.41 62.88,29.88 63.28,30.28 65.88,30.28
Q3_VDDIO on BOTTOM (solid shape): 66.28,29.88 66.28,20.88 65.98,20.58 64.18,20.58 63.78,20.98 63.78,21.58 65.98,21.58 65.98,23.78 63.98,23.78 63.98,21.58 63.78,21.58 63.73,21.63 63.73,24.58 65.98,24.58 65.98,26.78 63.98,26.78 63.98,24.58 63.73,24.58 63.73,28.03 62.88,28.88 62.88,29.41 63.18,29.41 63.18,29.35 63.19,29.28 63.2,29.21 63.23,29.14 63.26,29.08 63.3,29.02 63.34,28.97 63.39,28.92 63.45,28.88 63.51,28.84 63.57,28.82 63.64,28.8 63.71,28.78 63.78,28.78 63.85,28.78 63.92,28.8 63.99,28.82 64.05,28.84 64.11,28.88 64.17,28.92 64.22,28.97 64.26,29.02 64.3,29.08 64.33,29.14 64.36,29.21 64.37,29.28 64.38,29.35 64.38,29.41 64.37,29.48 64.36,29.55 64.33,29.62 64.3,29.68 64.26,29.74 64.22,29.79 64.17,29.84 64.11,29.88 64.05,29.92 63.99,29.94 63.92,29.96 63.85,29.98 63.78,29.98 63.71,29.98 63.64,29.96 63.57,29.94 63.51,29.92 63.45,29.88 63.39,29.84 63.34,29.79 63.3,29.74 63.26,29.68 63.23,29.62 63.2,29.55 63.19,29.48 63.18,29.41 62.88,29.41 62.88,29.88 63.28,30.28 65.88,30.28
Q3_VDDIO on PWR_L8: 45.28,0.89 45.28,44.47 76.18,44.57 76.18,46.68 81.88,46.68 81.88,44.58 89.28,44.58 89.28,0.89
SW1_Q1 on TOP (solid shape): 18.38,48.68 18.38,47.18 19.74,45.82 19.72,45.79 19.68,45.6 19.76,45.41 19.77,45.38 19.68,45.13 19.77,44.88 19.76,44.85 19.69,44.73 19.68,44.59 19.68,44.57 19.63,44.57 19.49,44.55 19.36,44.48 18.85,44.48 18.79,44.51 18.72,44.54 18.18,45.08 15.38,45.08 14.78,45.68 14.78,46.68 17.08,46.68 17.08,48.68 14.78,48.68 14.78,49.68 15.18,50.08 16.98,50.08
SW1_Q2 on TOP (solid shape): 56.71,18.28 56.77,18.25 56.84,18.22 57.38,17.68 60.18,17.68 60.78,17.08 60.78,16.08 58.48,16.08 58.48,14.08 60.78,14.08 60.78,13.08 60.38,12.68 58.58,12.68 57.18,14.08 57.18,15.58 55.82,16.94 55.84,16.97 55.88,17.16 55.8,17.35 55.79,17.38 55.88,17.63 55.79,17.88 55.8,17.91 55.87,18.03 55.88,18.17 55.88,18.19 55.93,18.19 56.07,18.21 56.2,18.28
SW1_Q4 on TOP (solid shape): 18.38,26.58 18.38,25.08 19.74,23.72 19.72,23.69 19.68,23.5 19.76,23.31 19.77,23.28 19.68,23.03 19.77,22.78 19.76,22.75 19.69,22.63 19.68,22.49 19.68,22.47 19.63,22.47 19.49,22.45 19.36,22.38 18.85,22.38 18.79,22.41 18.72,22.44 18.18,22.98 15.38,22.98 14.78,23.58 14.78,24.58 17.08,24.58 17.08,26.58 14.78,26.58 14.78,27.58 15.18,27.98 16.98,27.98
SW1_Q8 on TOP (solid shape): 56.71,40.38 56.77,40.35 56.84,40.32 57.38,39.78 60.18,39.78 60.78,39.18 60.78,38.18 58.48,38.18 58.48,36.18 60.78,36.18 60.78,35.18 60.38,34.78 58.58,34.78 57.18,36.18 57.18,37.68 55.82,39.04 55.84,39.07 55.88,39.26 55.8,39.45 55.79,39.48 55.88,39.73 55.79,39.98 55.8,40.01 55.87,40.13 55.88,40.27 55.88,40.29 55.93,40.29 56.07,40.31 56.2,40.38
SW2_Q1 on TOP (solid shape): 19.68,42.09 19.71,41.99 19.76,41.91 19.77,41.88 19.68,41.63 19.77,41.38 19.76,41.35 19.68,41.19 19.7,41.02 19.69,40.92 19.6,40.88 19.28,40.88 18.58,40.18 18.58,38.38 17.78,37.58 17.78,36.78 17.38,36.38 15.38,36.38 15.05,36.71 15.03,36.82 15.13,36.88 17.08,36.88 17.08,38.88 14.88,38.88 14.88,39.68 15.18,39.98 17.18,39.98 17.33,40.13 17.48,40.13 19.48,42.13 19.68,42.13
